# KiCad board FreeDSP_INTEGRA_QUAD_BASIC.kicad_pcb (continued)
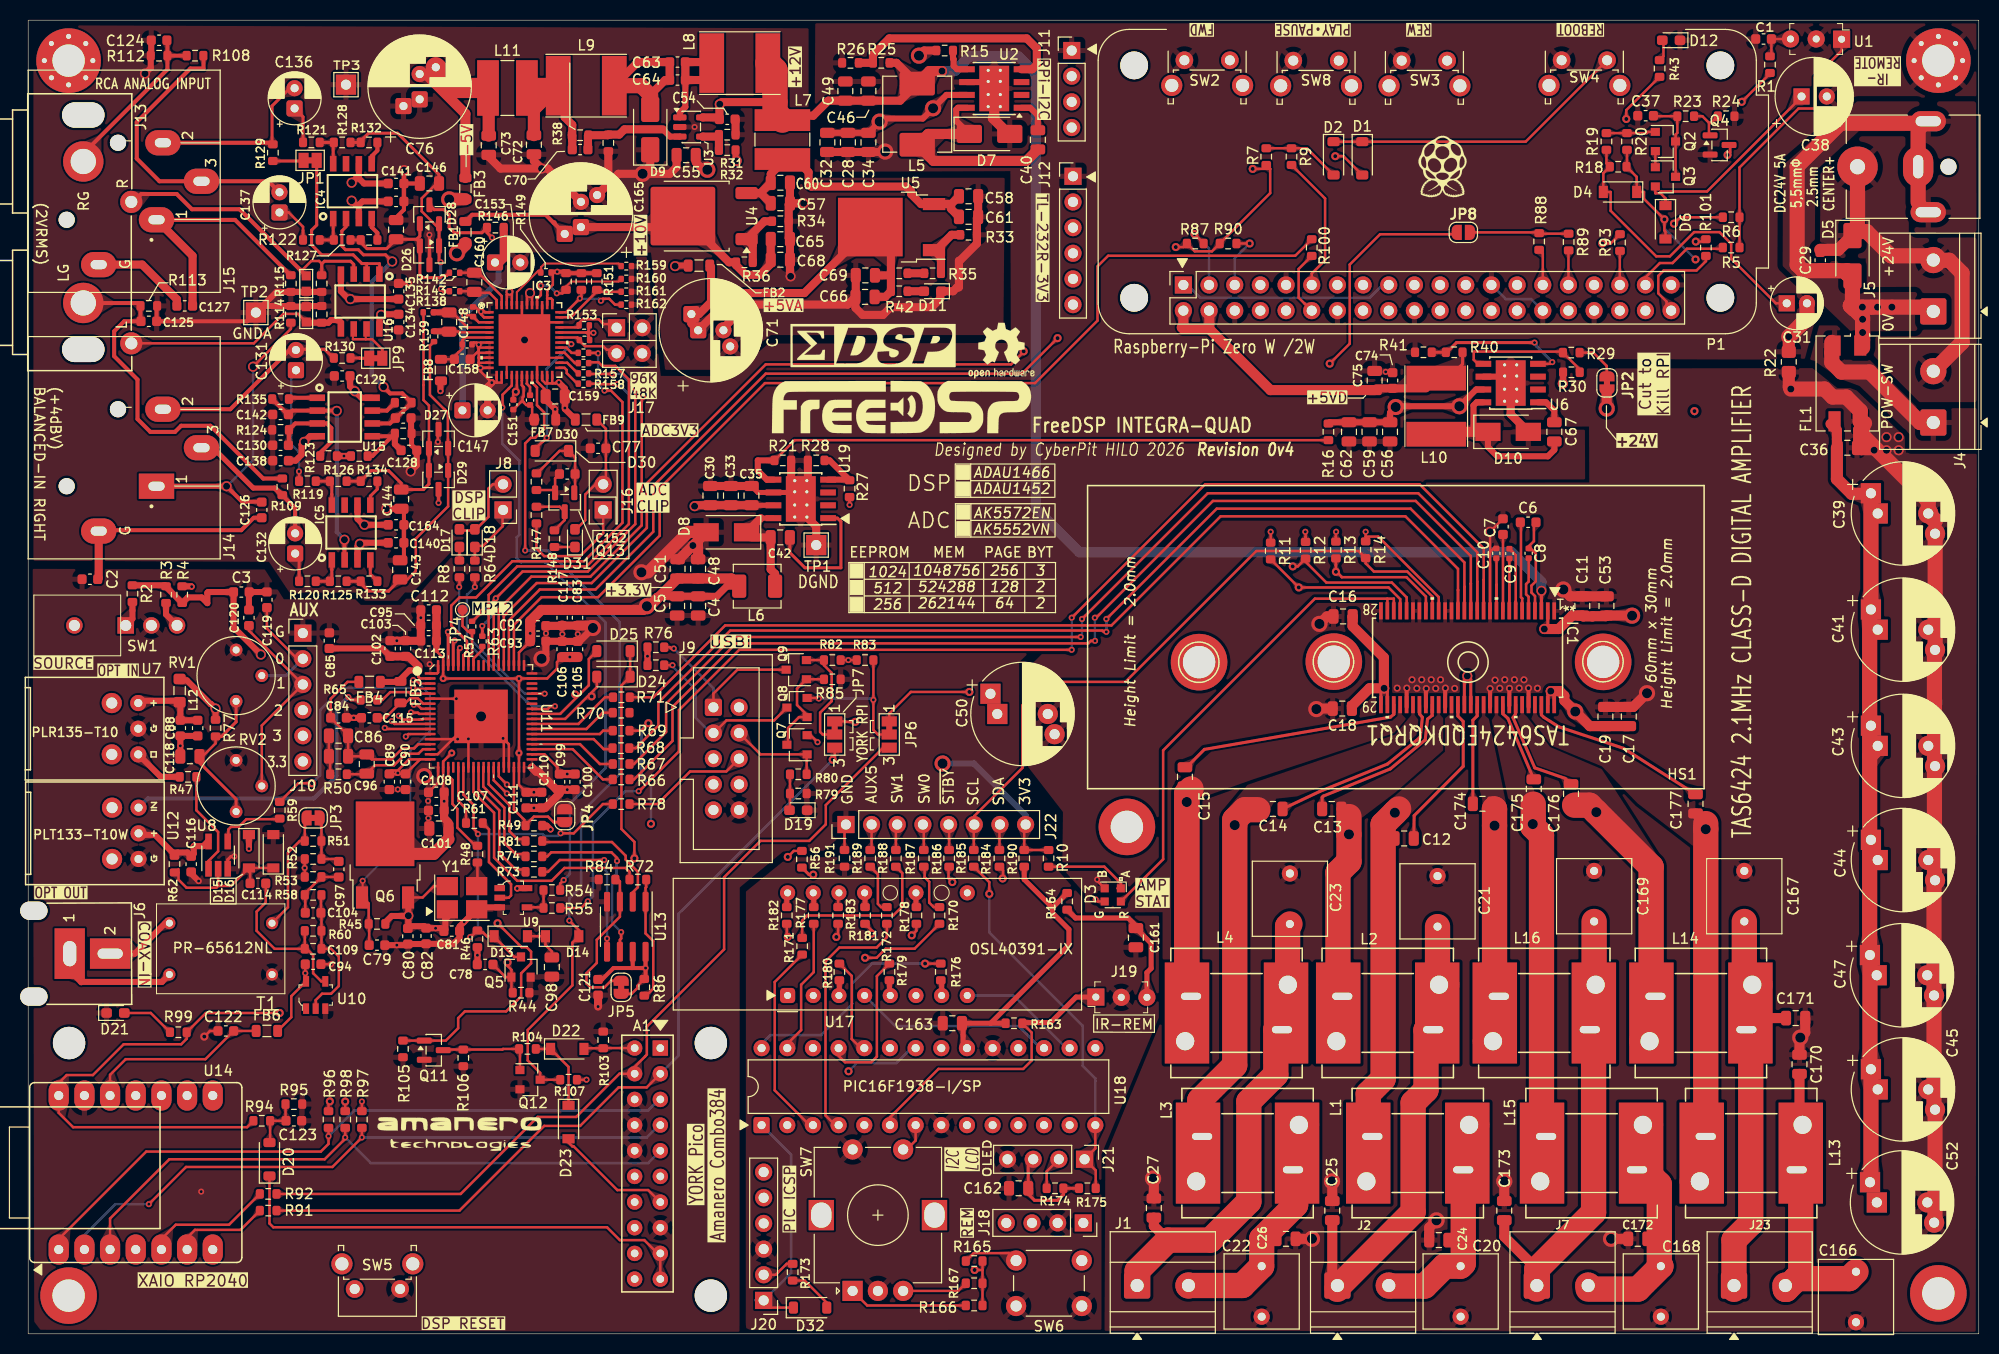
[diagram p0: board, top side]
## Routing (per net, layer and track width the routed paths; a pad name or vN(x,y) marks a point on that pad's centre or on a via; arc(x,y) is an arc through that point) (continued)
/Micom_DIsplay/DIG4: length 12.1
  Bottom w0.25: 102.87,28.27 102.71,28.27 97.5,33.48 U17.8
/Micom_DIsplay/DIG5: length 19.7
  Bottom w0.25: 100.33,28.27 100.17,28.27 97.99,30.45 85.79,30.45 U17.4
/Micom_DIsplay/ICSP_CLK: length 30.4
  Top w0.25: R177.2 77.72,35.79 76.48,34.54 76.48,30.06 74.93,28.51 74.93,28.27
  In2.Cu w0.25: J20.5 76.43,17.12 76.43,24.99 74.93,26.49 74.93,28.27
/Micom_DIsplay/ICSP_DAT: length 41.6
  Top w0.25: v5(88.74,36.64) R176.2
  In2.Cu w0.25: 72.39,28.27 72.15,28.27 71.42,27.54 71.42,11.51 72.01,10.92 J20.4
  Bottom w0.25: 72.39,28.27 72.39,28.51 73.44,29.56 78.46,29.56 81.53,32.64 81.53,34.67 83.5,36.64 v5(88.74,36.64)
/Micom_DIsplay/IR_SENS: length 29.5
  Top w0.25: U18.6 85.27,21.41 90.07,26.21 98.45,26.21 99.29,27.05 99.29,29.81 R163.2
  Top w0.5: R163.2 98.43,30.8 101.16,30.8 103.69,33.32 J19.1
/Micom_DIsplay/MCLR: length 24
  Top w0.25: D32.1 73.48,2.59 J20.1
  In2.Cu w0.25: 72.15,20.65 72.39,20.65
  Bottom w0.25: U18.1 75.49,17.73 75.49,6.02 J20.1 71.96,3.3 71.96,3.33
/Micom_DIsplay/MODE_SW: length 32.6
  Top w0.25: R165.2 93.56,7.98 97.02,7.98 SW6.2 ; SW7.E 86.95,18.25 86.95,18.27 87.81,19.13 U18.7
  In1.Cu w0.25: SW6.2 SW6.2
  In2.Cu w0.25: SW6.2 96.78,8.22 J18.4 89.51,18.25 86.56,18.25
/Micom_DIsplay/PIC_SCL: length 41.4
  Top w0.25: v5(95.1,43.54) 95.1,44.69 R185.1 ; R175.2 105.62,16.17 J21.1 105.59,18.34 U18.14
  In2.Cu w0.25: 105.51,20.55 105.51,19.39 104.52,18.4 J21.1
  Bottom w0.25: v5(95.1,43.54) 95.1,39.73 104.34,30.48 104.34,26.52 105.59,25.27 U18.14
/Micom_DIsplay/PIC_SDA: length 38.9
  Top w0.25: R184.1 96.46,45.87 96.46,45.1 v5(96.42,45.06) ; R174.2 100.78,16.07 J21.2
  In2.Cu w0.25: U18.15 104.88,27.57 104.88,27.24 104.39,26.75 104.39,19.69 J21.2 ; U18.15 104.88,28.97 104.88,29.02 104.14,29.77 104.14,38.97 98.05,45.06 v5(96.42,45.06) ; U18.15 105.41,28.27
/Micom_DIsplay/RENC_A: length 59.6
  Top w0.25: R166.2 83.02,2.8 SW7.A
  In2.Cu w0.25: SW7.A 81.57,2.86 83.41,1.02 100.03,1.02 101.45,2.44 101.45,7.06 104.4,10.01 J18.1 101.28,14.1 97.74,14.1 95.43,16.41 U18.10
/Micom_DIsplay/RENC_B: length 38.1
  Top w0.25: 93.25,21.02 92.84,21.02 92.71,20.89 92.71,20.65 ; SW7.B 92.02,4.25 R167.2
  In2.Cu w0.25: U18.9 92.89,17.2 99.11,10.97 J18.3 99.32,6.25 98.04,4.98 87.31,4.98 SW7.B
/Micom_DIsplay/SEG-a: length 1.4
  Top w0.25: R183.1 80.14,43.56 U17.14
/Micom_DIsplay/SEG-b: length 1.4
  Top w0.5: U17.16 75.06,43.56 R182.1
/Micom_DIsplay/SEG-c: length 1.4
  Top w0.5: R181.1 82.8,43.6 U17.13
/Micom_DIsplay/SEG-d: length 1.5
  Top w0.5: U17.3 80.26,33.52 R180.1
/Micom_DIsplay/SEG-dp: length 1.5
  Top w0.5: R176.1 90.38,34.91 U17.7
/Micom_DIsplay/SEG-e: length 1.5
  Top w0.5: R179.1 85.22,33.56 U17.5
/Micom_DIsplay/SEG-f: length 1.4
  Top w0.5: U17.11 87.84,42.27 R178.1
/Micom_DIsplay/SEG-g: length 1.4
  Top w0.5: R177.1 77.72,43.6 U17.15
/Micom_DIsplay/SEL_BIT0: length 5
  Top w0.25: R170.2 89.6,42.23 89.15,42.67 89.15,44.73 88.7,45.19 88.7,46.15 R187.1
/Micom_DIsplay/SEL_BIT1: length 16.4
  Top w0.25: R171.2 76.58,40.89 77.09,41.4 85.6,41.4 86.49,42.29 86.49,45.59 R188.1
/Micom_DIsplay/SEL_CTRL: length 5
  Top w0.25: R189.1 84.07,45.47 84.07,42.55 84.39,42.23 R172.2
/YAM_DSP-ADC_IO/958RX: length 23.4
  Top w0.2: U11.4 38.17,63.85 v1(38.09,63.94)
  Top w0.25: R59.1 26.74,54.49 v5(28.09,54.49)
  Bottom w0.25: v1(38.09,63.94) 31.1,63.94 28.9,61.74 28.9,55.29 v5(28.09,54.49)
/YAM_DSP-ADC_IO/958TX: length 30.5
  Top w0.3: R65.2 31.95,62.74 v1(31.67,63.02)
  Bottom w0.4: v1(31.67,63.02) 30.5,61.85 30.5,55.22 28.27,52.98 11.84,52.98 U12.1
/YAM_DSP-ADC_IO/AES_COLD: length 12.3
  Top w0.6: T1.1 13.23,34.82 5.28,34.82 5.26,34.8 4.11,35.94 J6.2
/YAM_DSP-ADC_IO/AES_HOT: length 7.1
  Top w0.6: J6.1 10.55,37.62 13.56,40.64 T1.2
/YAM_DSP-ADC_IO/BCK_USB: length 63.9
  Top w0.25: 62.59,20.7 A1.4 ; R97.2 v1(33.02,19.43) 30.1,16.51 15.62,16.51 v1(11.94,12.83)
  Bottom w0.25: v1(11.94,12.83) 8.64,12.83 5.56,9.76 U14.2 ; v1(33.02,19.43) 61.21,19.43 62.44,20.66 A1.4
/YAM_DSP-ADC_IO/DAT_USB: length 68.1
  Top w0.25: U14.1 3.02,9.37 11.68,18.03 28.96,18.03 29.72,18.8 v1(29.72,19.56) R96.2 ; 62.95,22.8 A1.3
  Bottom w0.25: A1.3 62.44,23.2 61.34,22.1 32.26,22.1 v1(29.72,19.56)
/YAM_DSP-ADC_IO/EEPROM_1: length 12.3
  Top w0.25: R72.1 61.15,44.2 61.09,44.13 U13.1 61.09,39.62 61.85,38.86 61.85,34.16 61.15,33.47 R86.1
/YAM_DSP-ADC_IO/EEPROM_2: length 9.2
  Top w0.25: U11.29 45.56,54.39 47.62,52.32 47.62,49.73 48.4,48.95 49.03,48.95 49.21,48.77
/YAM_DSP-ADC_IO/EEPROM_5: length 15.8
  Top w0.25: R73.1 51.44,45.72 52.6,46.89 v1(57,46.89) ; v1(57.28,39.12) 57.28,37.81
  Bottom w0.25: v1(57.28,39.12) 57.28,45.69 57.15,45.82 57.15,46.74 v1(57,46.89)
/YAM_DSP-ADC_IO/EEPROM_6: length 17.7
  Top w0.25: R74.1 51.36,47.24 51.77,47.65 57.71,47.65 58.27,47.09 v1(58.27,46.79) ; v1(58.67,39.75) 58.67,39.12 58.55,38.99 58.55,37.81
  Bottom w0.25: v1(58.67,39.75) 57.78,40.64 57.78,45.08 58.22,45.52 58.22,46.74 v1(58.27,46.79)
/YAM_DSP-ADC_IO/GPIO5: length 3.6
  Top w0.25: P1.29 149.86,106.91 R88.2
/YAM_DSP-ADC_IO/GPIO6: length 3.4
  Top w0.25: P1.31 152.4,107.2 R89.2
/YAM_DSP-ADC_IO/GPIO14(TXD0): length 22.3
  In2.Cu w0.25: J12.5 104.5,104.39 105.62,105.51 120.14,105.51 120.66,105 120.66,102.39 121.78,101.26 P1.8
/YAM_DSP-ADC_IO/GPIO15(RXD0): length 24.7
  In2.Cu w0.25: P1.10 124.46,101.45 123.19,102.72 123.19,104.62 121.34,106.47 104.97,106.47 104.5,106.93 J12.4
/YAM_DSP-ADC_IO/LRK_USB: length 63.5
  Top w0.25: R98.2 v1(31.37,19.43) 31.24,19.3 31.24,19.18 29.34,17.27 13.97,17.27 8.1,11.41 U14.3 ; 62.59,18.16 A1.5
  Bottom w0.25: A1.5 62.55,18.1 61.34,16.89 33.91,16.89 v1(31.37,19.43)
/YAM_PSU_IO/PSU+: length 34.6
  Top w1.2: 181,109.18 D5.1 179.1,107.28 177.31,107.28
  Top w1.5: 188.62,106.05 187.98,106.68 184.32,106.68 181.91,109.09 180.5,109.09 ; J4.2 191.35,98.11 191.35,104.97 190.08,106.24 188.36,106.24 ; 181,109.18 J3.1
/YAM_PSU_IO/PSU-: length 62.9
  Top w0.25: 181.5,98.72 181.62,98.72 ; 181.62,98.72 181.62,98.05 ; 181.62,98.72 181.62,98.97 ; FL1.1 181.27,98.12 181.5,98.35 ; 177.31,104.96 C29.1 ; 180.29,101.74 180.32,101.77
  Top w1: 180.5,104.69 179.85,104.69 179.06,105.47 C29.1
  Top w1.2: 187,112 J3.2 ; J3.2 187,119
  Top w1.5: 187,112 J3.2 187,119 ; 180.5,104.69 180.5,101.95 180.29,101.74 180.62,101.42 ; 180.5,104.69 180.22,104.96 ; 180.5,104.69 179.98,105.2 175.62,105.2 175.03,105.8 175.03,115.53 179.3,119.8 187.8,119.8 J3.2 ; 180.5,101.6 v2(181.48,101.6) v2(184.4,101.6) 187.92,101.6 188.55,100.97 ; 180.3,101.78 181.5,100.58 v2(181.5,100.4) v2(181.5,99.09) 181.5,97.61
  vias: v2(182.98,101.6)
/YAM_PSU_IO/SWITCHED+: length 15.6
  Top w0.25: 178.38,98.05 178.38,97.2 178.46,97.12
  Top w1.5: 178.46,98.11 178.46,96.13 179.4,95.18 182.2,95.18 187.2,90.18 J4.1 188.6,90.18
/~{RASPI_SHUT}: length 7.8
  Top w0.25: D2.2 126.52,117.33 R9.1 R7.2
AMA_SCL: length 83
  Top w0.25: v5(79.6,56.82) 79.8,57.01 JP7.3 ; R91.2 42.67,12.19 51.05,20.57 54.61,20.57 58.42,24.38 61.2,24.38 A1.2
  Bottom w0.25: v5(79.6,56.82) 64.35,41.56 64.35,27.53 A1.2
AMA_SDA: length 86.5
  Top w0.25: JP6.3 84.6,58.01 78.92,52.32 78.92,50.42 77.28,48.78 72.45,48.78 68.86,45.19 68.86,38.05 61.21,30.4 61.21,27.64 61.05,27.47 61.05,27.45 59.33,25.74 ; R92.2 42.8,13.84 50.42,21.46 54.23,21.46 58.5,25.74 59.33,25.74 ; 59.33,25.74 A1.12
AUX0: length 26.3
  Top w0.25: U11.8 38.91,61.85 38.51,62.26 v1(38.15,62.26) ; C119.1 23.62,69.8 26.62,66.8 J10.2
  In2.Cu w0.25: J10.2 33.27,66.8 37.82,62.26 v1(38.15,62.26)
  Bottom w0.3: J10.2 25.51,65.14 RV1.2
AUX1: length 33.6
  Top w0.25: v1(37.87,61.49) 37.9,61.47 38.56,61.47 38.67,61.35 U11.9 ; C120.1 21.84,69.6 J10.3 23.11,60.2 RV2.2
  In2.Cu w0.25: v1(37.87,61.49) 37.34,61.49 36.58,62.26 35.28,62.26 33.27,64.26 J10.3
AUX2: length 13.2
  Top w0.25: U11.10 39.09,60.85 39.09,60.86 39.06,60.86 38.99,60.78 38.69,60.78 37.03,60.78 v1(36.65,61.16)
  In1.Cu w0.25: 27.31,61.85 J10.4
  In2.Cu w0.25: v1(36.65,61.16) 36.12,61.7 27.2,61.7 J10.4
AUX3: length 13.7
  Top w0.25: v1(35.97,60.63) 36.24,60.35 U11.11
  In2.Cu w0.25: J10.5 27.2,59.21 32.61,59.21 34.49,61.09 35.51,61.09 v1(35.97,60.63)
AUX4: length 45.5
  Top w0.25: v1(35.28,59.97) 35.4,59.85 U11.12
  Top w0.6: v2(23.03,67.22) 20.32,69.93 C3.1 17.81,73.41 17.73,73.33 17.73,72.31 17.17,72.87 15.79,72.87 R4.2 13.64,73.93 R3.1 13.54,74.08 R2.1
  In2.Cu w0.25: 24.89,57.91 24.89,65.35 v2(23.03,67.22) ; 24.89,57.96 24.94,57.91 33.2,57.91 35.25,59.97 v1(35.28,59.97)
BCK_IN0: length 104.6
  Top w0.25: U11.57 48.06,70.16 50.8,72.9 56.39,72.9 62.48,78.99 62.48,83.67 72.9,94.08 99.62,94.08 105.81,100.27 105.81,105.64 106.86,106.69 125.37,106.69 R100.2
BCK_IN1: length 46.1
  Top w0.25: U11.60 46.56,71.71 v1(46.86,72.01) 49.78,74.93 55.63,74.93 60.71,80.01 60.71,92.58 v1(60.83,92.71) ; 55.46,94.03 56.46,94.03 56.51,93.98 v1(58.29,93.98) ; 44.93,69.55 R63.1 44.93,69.55 ; 44.93,69.55 v1(44.93,70.05)
  Bottom w0.25: v1(44.93,70.05) 45.24,70.36 45.24,70.38 v1(46.86,72.01) ; v1(60.83,92.71) 59.69,92.71 58.42,93.98 v1(58.29,93.98)
BCK_IN3: length 82.7
  Top w0.25: R97.1 v1(33.02,22.99)
  Top w0.3: U11.68 42.56,67.71 v1(42.72,67.87)
  In2.Cu w0.25: v1(42.72,67.87) 42.67,67.82 38.48,67.82 35.43,70.87 21.72,70.87 17.14,66.29 17.14,51.18 19.56,48.77 19.56,35.31 29.72,25.15 32,25.15 33.02,24.13 v1(33.02,22.99)
BCK_OUT0: length 108.7
  Top w0.25: 143.38,74.44 143.38,71.53 143.38,74.44 143.38,74.44 ; 143.38,74.44 143.38,77.35 137.54,83.19 116.71,83.19 v1(104.27,70.74) ; v1(104.14,68.96) 69.72,68.96 63.12,62.36 63.12,59.56 59.94,56.39 R67.1
  Bottom w0.25: v1(104.27,70.74) 104.27,69.09 v1(104.14,68.96)
DAT_IN0: length 146.2
  Top w0.25: v5(165,108.09) 165.77,108.09 R101.2 ; v5(98.5,97.23) 98.5,97.19 97.25,95.94 72.97,95.94 61.21,84.18 61.21,79.76 55.75,74.3 50.32,74.3 47.06,71.04 U11.59
  In2.Cu w0.25: v5(98.5,97.23) 160.86,97.23 163.83,100.2 163.83,107.47 164.45,108.09 v5(165,108.09)
DAT_IN1: length 42.8
  Top w0.25: 55.46,96.06 55.53,96.14 56.44,96.14 56.79,95.78 58.09,95.78 59.44,94.44 59.44,80.14 55.25,75.95 48.39,75.95 45.56,73.12 U11.62
DAT_IN2: length 46.1
  Top w0.25: v1(57.02,93.34) 57.66,93.34 58.8,92.2 58.8,80.26 54.99,76.45 47.9,76.45 44.32,72.87 42.67,72.87 41.86,72.06 41.86,70.1 43.41,68.55 43.41,67.51 43.06,67.17 U11.67 ; 55.46,97.08 56.34,97.08 v1(56.39,97.03)
  Bottom w0.25: v1(57.02,93.34) 56.39,93.98 v1(56.39,97.03)
DAT_IN3: length 83.2
  Top w0.25: R96.1 29.72,22.87 v5(29.85,23)
  Top w0.3: v1(41.53,69.47) 41.53,69.15 41.56,69.12 U11.70
  In2.Cu w0.25: v1(41.53,69.47) 38.73,69.47 36.07,72.14 20.83,72.14 15.8,67.11 15.8,50.04 18.03,47.8 18.03,34.93 29.49,23.47 29.49,23.37 v5(29.85,23)
DAT_OUT0: length 104.1
  Top w0.25: v1(106.68,70.74) 117.6,81.66 136.78,81.66 142.11,76.33 142.11,73.93 ; R68.1 60.12,57.96 62.36,60.2 62.36,62.48 69.47,69.6 106.3,69.6 106.43,69.47 v1(106.68,69.47) ; 142.11,73.93 142.11,71.53 142.11,73.93 142.11,73.93
  Bottom w0.25: v1(106.68,69.47) v1(106.68,70.74)
DAT_OUT1: length 97.8
  Top w0.25: 141.47,73.61 141.47,75.7 136.27,80.9 117.98,80.9 107.19,70.1 68.96,70.1 61.85,62.99 R71.1 ; 141.47,73.61 141.47,71.53 141.47,73.61
DSP_RES: length 149.6
  Top w0.25: v5(128.78,96.01) 130.76,97.99 130.76,105.82 133.76,108.82 141.17,108.82 JP8.1 ; Q5.1 47.14,35.3 47.14,35.39 C78.2 ; Q5.1 47.82,36.02 47.43,36.41 v5(47.43,36.77) ; Q5.1 47.82,33.88 R44.1
  In2.Cu w0.25: v5(128.78,96.01) 128.78,90.07 103.12,64.41 99.42,64.41 97.97,62.97 97.97,60.81 97.98,60.8 97.98,60 89.81,51.84 89.81,49.53 88.77,48.49 55.02,48.49 54.33,47.8 51.26,47.8 43.12,39.66 43.12,39.06 43.74,38.44 45.75,38.44 v5(47.43,36.77)
Earth: length 31.3
  Top w0.4: C126.1 22.31,80.76 21.08,79.53 7.07,79.53 J14.G ; 6.99,105.82 J15.G
  Top w0.8: J14.G 6.98,74.77 C2.2 ; 6.99,105.82 11.28,105.82 14.72,102.38 C127.1
EX_SCL: length 11.2
  Top w0.25: JP7.2 78.61,59.31 78.36,59.56 78.36,61.47 79.5,62.61 79.5,65.41 78.74,66.17 R82.1 Q9.2
EX_SDA: length 15.3
  Top w0.25: Q8.2 78.17,62.93 v1(78.23,62.86) ; R83.2 v1(83.63,62.74) 83.63,59.75 84.07,59.31 JP6.2
  Bottom w0.25: v1(78.23,62.86) 83.5,62.86 v1(83.63,62.74)
GPIO17(GEN0): length 13.8
  Top w0.25: P1.11 127,104.93 128.32,106.25 128.32,112.35 R9.2
GPIO23: length 28.1
  In2.Cu w0.25: 140.22,126 133.35,119.12 133.35,103.15 132.59,102.39 132.59,102.39 132.59,101.77 P1.16
GPIO24: length 38.6
  In2.Cu w0.25: 118.72,126.04 120.57,126.04 121.89,124.72 121.89,123.02 125.58,119.33 129.59,119.33 130.81,118.11 130.81,100.53 131.42,99.92 133.28,99.92 P1.18
GPIO25(GEN6): length 32.4
  Top w0.25: R6.2 167.66,110.49 163.46,110.49 v5(162.84,109.87)
  In2.Cu w0.25: P1.22 140.93,102.49 142.76,102.49 143.51,103.24 143.51,104.2 148.31,109 161.97,109 v5(162.84,109.87)
GPIO26: length 79.8
  Top w0.25: P1.37 160.02,104.55 161.44,105.97 162.7,105.97 164.11,107.38 167.56,107.38 R5.1
  In2.Cu w0.25: P1.37 160.02,105.41 164.34,109.73 164.34,115.06 171.32,122.04 171.32,125.91 169.36,127.87 131.37,127.87 129.5,126
I2C_SCL: length 43.6
  Top w0.25: v1(47.37,54.36) 46.56,55.17 U11.31 ; Q9.3 70.17,65.72 67.8,63.36 J9.1 ; R76.2 63.5,67.94 63.63,67.82 v1(63.88,67.82)
  In1.Cu w0.25: v1(47.37,54.36) 49.28,54.36 56.92,62 J9.1
  Bottom w0.25: v1(63.88,67.82) 67.8,63.9 J9.1
I2C_SDA: length 43.7
  Top w0.25: v1(63.75,66.17) R75.1 ; U11.30 46.06,54.78 v1(47.37,53.47) ; Q8.3 73.8,60.71 69.09,60.71 67.84,59.46 J9.3
  In1.Cu w0.25: v1(47.37,53.47) 49.07,53.47 55.07,59.46 J9.3
  Bottom w0.25: v1(63.75,66.17) 63.75,66.04 66.04,63.75 66.04,60.96 67.54,59.46 J9.3
LRK_IN0: length 135.5
  Top w0.25: v5(101.85,98.54) 98.34,95.02 72.97,95.02 61.85,83.9 61.85,79.38 56.13,73.66 50.62,73.66 47.56,70.6 U11.58 ; v5(155.74,107.91) 156.58,107.91 R93.2
  In2.Cu w0.25: v5(155.74,107.91) 155.71,107.87 151.49,107.87 148.56,104.95 148.56,100.43 146.67,98.54 v5(101.85,98.54)
LRK_IN1: length 45.5
  Top w0.25: U11.61 46.06,72.58 v1(46.27,72.78) 48.92,75.44 55.37,75.44 60.07,80.14 v1(60.07,93.6) ; v1(57.78,95) 55.51,95 55.46,95.05 ; R57.1 43.97,70.51 44.93,71.48 v1(44.96,71.48)
  Bottom w0.25: v1(60.07,93.6) 58.67,95 v1(57.78,95) ; v1(44.96,71.48) v1(46.27,72.78)
LRK_IN3: length 82.8
  Top w0.25: v5(31.37,22.99) R98.1
  Top w0.3: v1(42.2,68.62) 42.06,68.48 U11.69
  In2.Cu w0.3: v5(31.37,22.99) 31.37,23.62 30.61,24.38 29.59,24.38 18.8,35.18 18.8,48.39 16.51,50.67 16.51,66.67 21.34,71.5 35.81,71.5 38.7,68.62 v1(42.2,68.62)
LRK_OUT0: length 108.4
  Top w0.25: 142.74,74.25 142.74,71.53 142.74,74.25 ; 142.74,74.25 142.74,76.97 137.29,82.42 117.22,82.42 105.66,70.87 v1(105.54,70.87) ; v1(105.56,68.58) 105.16,68.58 104.9,68.33 70.04,68.33 63.75,62.04 63.75,58.67 59.94,54.86 R66.1
  Bottom w0.25: v1(105.54,70.87) 105.54,68.61 v1(105.56,68.58)
MCLK: length 59.1
  Top w0.25: v1(52.98,44.91) 52.64,44.56 R54.2 ; v1(46.91,91.67) 46.94,91.69 46.94,92.94 47.55,93.55 47.85,93.85 IC3.16
  Bottom w0.25: v1(46.91,91.67) 46.91,88.09 48.59,86.41 48.59,79.07 48.34,78.82 48.34,76.78 48.77,76.35 51.18,76.35 57.12,70.41 57.12,55.98 53.59,52.45 53.59,45.52 v1(52.98,44.91)
MCLK0: length 129.1
  Top w0.25: R55.2 54.71,42.14 v1(55.37,42.8) ; 144.01,74.63 144.01,71.53 144.01,74.63 ; 144.01,74.63 144.01,77.73 137.67,84.07 116.46,84.07 v1(103.25,70.87) ; v1(60.4,53.7) 60.45,53.7 64.39,57.63 64.39,61.72 70.36,67.69 v1(103.25,67.69)
  Bottom w0.25: v1(60.4,53.7) 59.08,53.7 55.88,50.5 55.88,43.31 v1(55.37,42.8) ; v1(103.25,70.87) v1(103.25,67.69)
MP5: length 29.6
  Top w0.25: R69.1 60.66,59.69 61.37,60.4 v5(61.37,60.43) ; R56.2 75.75,47.79 v5(75.16,47.19)
  In1.Cu w0.25: v5(61.62,50.47) 64.29,47.8 75.04,47.8 75.16,47.69 v5(75.16,47.19)
  Bottom w0.25: v5(61.62,50.47) 61.62,54.2 60.68,55.14 60.68,59.74 v5(61.37,60.43)
MP8: length 20.5
  Top w0.25: v1(42.65,73.91) 42.67,73.94 R8.2 ; 49.86,61.84 U11.47 49.86,61.84 ; 49.86,61.84 49.88,61.82 51.41,61.82 51.69,62.1 v1(52.12,62.1)
  Bottom w0.25: v1(52.12,62.1) 49.89,62.1 49.43,62.56 49.3,62.56 42.65,69.22 v1(42.65,73.91)
MP9: length 17.4
  Top w0.25: 44.2,74.87 v1(44.2,73.91) ; U11.50 51.1,63.35 v1(51.1,63.35)
  Bottom w0.25: v1(44.2,73.91) 43.41,73.13 43.41,69.09 49.15,63.35 v1(51.1,63.35)
MP12: length 6.3
  Top w0.25: U11.66 43.56,66.98 43.92,67.34 R57.2 43.54,69.49 42.98,70.05 TP4.1
RP_SCL: length 118.4
  Top w0.25: D1.2 130.14,116.54 v5(129.32,116.54) ; v5(120.86,107.91) 119.56,107.91 R90.2 ; v5(81.84,60.56) 80.87,60.56 80.83,60.61 JP7.1
  In2.Cu w0.25: v5(81.84,60.56) 81.9,60.5 82.75,60.5 92.41,70.15 92.41,94.13 101.24,102.97 101.24,120.8 102.36,121.92 J11.3 104.14,121.92 117.98,108.08 120.86,108.08 ; 120.86,108.08 v5(129.32,116.54) ; 120.86,108.08 v5(120.86,107.91)
  Bottom w0.25: P1.5 119.38,106.43 v5(120.86,107.91)
RP_SDA: length 92.1
  Top w0.25: v5(93.13,63.52) 87.34,63.52 85.2,61.38 JP6.1 ; v5(115.39,108.84) 116.3,107.93 R87.1
  In2.Cu w0.25: v5(93.13,63.52) 93.13,93.64 99.19,99.7 112,99.7 112.75,100.45 112.75,102.15 113.09,102.49 115.53,102.49 P1.3 ; v5(115.39,108.84) 114.92,108.84 104.38,119.38 J11.4
  Bottom w0.25: v5(115.39,108.84) 116.84,107.39 P1.3
SCL: length 67.8
  Top w0.25: R14.2 131.64,77.47 121.52,77.47 108.56,64.52 100.69,64.52 98.37,62.2 98.37,56.01 93.61,51.24 J22.6 93.56,50.35 R185.2 ; R14.2 132.34,76.51 ; R14.2 132.34,76.51 ; 138.93,72.23 138.93,72.94 138.94,72.95 136.45,75.44 133.15,75.44 132.34,76.25 132.34,76.51 ; 138.93,72.23 138.93,71.53 138.93,72.23
SDA: length 62.2
  Top w0.25: R184.2 96.1,50.35 J22.7 ; 138.3,72.24 138.3,71.53 138.3,72.24 ; 138.3,72.24 138.3,72.96 136.37,74.88 129.97,74.88 129.98,74.89 129.47,75.41 v5(129.39,75.41) 129.39,75.41 129.39,76.08 ; 129.39,76.08 R13.2 129.39,76.08
  In2.Cu w0.25: v5(129.39,75.41) 128.57,75.41 127.95,74.79 117.31,74.79 107.85,65.33 107.85,62.16 107.88,62.13 J22.7
SRC_BIT0: length 49.6
  Top w0.25: U11.45 53.13,60.85 55.56,63.28 ; 55.56,63.28 v5(55.75,63.08) ; 55.56,63.28 56.26,63.98 D24.2 ; R187.2 88.62,50.31 J22.4
  In2.Cu w0.25: J22.4 84.16,54.77 72.84,54.77 71.96,55.65 63.17,55.65 60.64,58.18 60.64,58.19 v5(55.75,63.08)
SRC_BIT1: length 50.7
  Top w0.25: 54.55,63.27 55.47,64.19 55.47,66.78 D25.2 ; 54.55,63.27 52.64,61.35 U11.46 ; 54.55,63.27 v5(54.13,63.27) ; J22.3 85.85,50.26 R188.2
  In2.Cu w0.25: v5(54.13,63.27) 64.19,53.21 83.18,53.21 J22.3
SRC_CTRL: length 61
  Top w0.25: J22.2 83.45,48.02 R189.2 ; U11.13 37.61,59.35 v1(37.36,59.11)
  In2.Cu w0.25: J22.2 83.45,49.9 82.51,48.96 54.55,48.96 53.95,48.36 40.89,48.36 37.36,51.89 v1(37.36,59.11)
USB_ON: length 5.4
  Top w0.25: D20.2 23.94,18.99 R94.1 C123.2 25.46,21.13 R95.1
~{DSP-RESET}: length 106.5
  Top w0.25: U11.24 43.06,53.36 43.74,52.68 44.07,52.35 44.07,49.99 44.5,49.56 v1(44.5,49.45) ; 44.25,39.72 43.8,39.27 v1(43.74,39.27) ; 44.25,39.72 45,39.72 45.38,39.34 D13.1 46.1,39.29 47.29,38.1 47.29,38.09 48.09,37.3 Q5.3 ; 44.25,39.72 R46.1 ; v1(52.68,49.53) 53.97,49.53 56.87,52.43 57.85,52.43
  In2.Cu w0.25: SW5.2 54.82,26.95 63.45,26.95 64.01,27.51 64.01,29.39 54.13,39.27 v1(43.74,39.27)
  Bottom w0.25: v1(52.68,49.53) 52.43,49.28 51.05,49.28 50.88,49.45 v1(44.5,49.45) 44.5,40.03 v1(43.74,39.27)
~{MUTE}: length 284.6
  Top w0.25: 54.53,39.4 53.85,38.71 53.85,34.49 49.43,30.07 49.43,27.05 50.66,25.82 Q12.3 R107.2 ; 54.53,39.4 54.59,39.45 54.59,39.85 v1(53.54,40.89) ; 54.53,39.4 D14.2 ; v1(49.17,77.52) 49.17,88.11 49.73,88.67 50.16,88.67 50.82,89.33 51.05,89.56 51.05,91.19 50.5,91.74 50.34,91.9 50.34,93.65 50.24,93.75 49.85,94.14 49.85,94.89 ; 168.4,117.65 168.4,116.93 v5(168.14,116.66) ; 135.76,72.11 135.76,71.53 135.76,72.11 ; 135.76,72.11 135.76,72.7 134.59,73.86 v5(125.72,73.86) R11.2 ; D3.3 105.84,42.78 105.78,42.84 105.77,42.84 105.51,43.1
  In2.Cu w0.25: v1(53.54,40.89) 53.77,40.67 56.13,40.67 63.45,47.98 100.99,47.98 105.63,43.35 v1(105.63,42.99) 105.51,43.1 105.51,43.43 100.84,48.11 100.84,51.74 109.78,60.68 109.78,65.58 118.06,73.86 v5(125.72,73.86) 134.37,73.86 144.58,84.07 160.38,84.07 171.3,95 171.3,106.38 168.14,109.53 v5(168.14,116.66)
  Bottom w0.25: v1(53.54,40.89) 53.54,43.08 54.71,44.25 54.71,51.56 58.52,55.37 58.52,70.43 51.44,77.52 v1(49.17,77.52)
~{STBY}: length 64.9
  Top w0.25: R186.2 91.13,50.34 J22.5 ; 136.39,72.2 136.39,72.2 136.39,71.53 136.39,72.2 ; 136.39,72.2 136.39,72.88 134.93,74.35 128.45,74.35 126.39,76.4 R12.2 125.62,75.95 v5(125.12,75.95)
  In2.Cu w0.25: v5(125.12,75.95) 125.07,76 116.64,76 103.99,63.35 100.18,63.35 98.68,61.85 98.68,59.09 91.07,51.49 J22.5
Net-(A1-DSD_ON): length 11.9
  Top w0.25: D23.2 53.47,18.92 53.85,18.54 53.97,18.54 58.29,14.22 61.34,14.22 62.53,13.04 A1.7
Net-(A1-MUTE): length 5.1
  Top w0.25: A1.11 56.91,28.28 R103.2 55.05,28.26 D22.2
Net-(C7-Pad2): length 7.6
  Top w0.25: C7.2 145.92,71.53 145.92,71.53
Net-(C10-Pad2): length 7.8
  Top w0.25: 145.28,74.14 145.28,74.13 145.28,71.53 145.28,74.14 ; 145.28,74.14 145.28,76.74 C10.2
Net-(C70-Pad2): length 16.5
  Top w0.8: 53.84,118.11 53.84,119.65 53.09,120.4 53.09,122.88 L9.1 ; 53.84,118.11 C70.2 ; 53.84,118.11 53.84,118.57 53.78,118.62
  Top w1.2: C72.1 50.04,121.11 L9.1
  Top w2: L11.2 52.22,123.29 L9.1
Net-(C73-Pad1): length 25.1
  Top w1: C76.2 39.66,124.67 C76.2 39.33,124.67 43.26,120.74 43.26,114.38
  Top w1.2: C73.1 45.57,123.22 L11.1
  Top w2: L11.1 42.39,123.29 C76.2
Net-(C86-Pad1): length 3.9
  Top w0.25: C86.1 C91.1 29.88,57.03 R50.1
Net-(C104-Pad1): length 6
  Top w0.25: C104.1 27.42,43.38 R58.1 27.37,43.56 R53.1 30.72,45.21 C97.2
Net-(C118-Pad1): length 14.6
  Top w0.25: R77.1 18.54,58.43 16.95,56.84
  Top w0.3: RV2.3 20.57,52.91 16.95,56.53 C118.1 ; RV1.3 20.57,60.55 19.14,59.12 R77.1
Net-(C126-Pad2): length 30
  Top w0.25: R114.1 25.99,99.45 v2(22.25,95.71)
  Top w0.4: 23.11,82.31 23.11,82.4 23.06,82.35 21.17,82.35 v2(19.63,83.88)
  Top w0.5: J14.1 v2(19.63,83.88)
  Bottom w0.25: v2(22.25,95.71) 22.25,86.46 19.67,83.88 v2(19.63,83.88)
Net-(C127-Pad2): length 25.6
  Top w0.4: R115.1 25.95,104.76 20.47,110.24 12.71,110.24 J15.1
  Top w0.8: C127.2 16.27,106.68 J15.1
Net-(C131-Pad1): length 12
  Top w0.25: v1(26.8,85.34) 26.81,85.33 26.81,84.86 ; 26.81,84.86 R119.1 26.81,84.86
  Bottom w0.25: C131.1 26.03,94.9 26.03,88.01 26.8,87.25 v1(26.8,85.34)
Net-(C132-Pad1): length 4.1
  Top w0.25: 26.81,75.65 R120.1
  Top w0.3: R120.1 26.81,76.82 C132.1
Net-(C136-Pad1): length 3.7
  Top w0.3: C136.1 27.2,120.44 R121.1
Net-(C137-Pad1): length 4.2
  Top w0.25: C137.1 25.78,110.97 27.2,109.55 27.2,109.19
  Top w0.3: 27.2,109.19 R122.1
Net-(C143-Pad1): length 33.1
  Top w0.25: C143.1 37.52,74.65 38.35,75.49 38.35,78.69 41.55,81.89 D27.2 41.53,87.66 41.53,91.16 41.17,91.52 41.15,91.52 39.75,92.91 39.75,97.79 R139.1
  Top w0.3: C143.1 35.66,73.51 35.66,73.51 33.68,73.51 32.9,74.28 R133.1 R125.1 31.5,74.47
Net-(C144-Pad2): length 27.2
  Top w0.25: D27.1 39.65,91.87 39.12,92.41 39.12,93.88 39.11,93.89 39.11,101.07 R138.1
  Top w0.3: 31.5,84.38 R126.2 R134.2 33.94,85.42 35.66,85.42 36.91,84.17 C144.2 39.11,83.55 39.65,84.1 D29.2 D27.1
Net-(C145-Pad1): length 16
  Top w0.3: D28.1 38.75,108.63 38.45,108.32 ; 38.45,108.32 C145.1 35.47,107.39 33.53,107.39 32.9,108.02 R131.1 R127.1 ; 38.45,108.32 38.75,108.01 D26.2 38.75,104.75 38.99,104.52 40.77,104.52 40.97,104.73 41.4,104.73 R142.1
Net-(C146-Pad2): length 25.3
  Top w0.25: 40.66,109.37 38.94,111.09 38.94,112.37 40.41,113.84 C146.2
  Top w0.3: v1(40.82,106.05) 40.66,106.21 D26.1 D28.2 ; R143.1 41.07,103.17 v1(40.84,103.4) ; R128.2 R132.2 32.9,118.04 33.68,118.82 36.55,118.82 40.64,114.73 40.64,113.86 C146.2
  Bottom w0.3: v1(40.82,106.05) 40.82,103.43 v1(40.84,103.4)
Net-(D1-K): length 30.4
  Top w0.25: SW4.2 148.17,117.98 D1.1 D2.1
Net-(D3-A): length 8.7
  Top w0.25: R10.1 106.48,46.23 108.12,44.59 D3.1 107.78,44.08
Net-(D3-RK): length 48.2
  Top w0.25: 134.49,72.75 127.31,72.75 112.3,57.74 112.3,46.97 D3.4 ; 134.49,72.75 134.49,71.53 ; 134.49,72.75 135.12,72.75 135.12,71.53
Net-(D4-A): length 31.2
  Top w0.25: C31.1 172.92,101.98 168.5,106.41 168.5,107.87 167.35,109.03 164.83,109.03 162.43,106.63 161.09,106.63 156.58,111.14 156.58,113 D4.2 155.85,114.85 R18.2 156.16,115.84 R19.2
Net-(D6-K): length 20.6
  Top w0.25: C38.1 175.46,122.4 166.11,113.05 161.57,113.05 161.5,112.98 161.5,112.87 ; Q3.2 161,112.87 161.5,112.87 ; 161.5,112.87 162,112.38 D6.1
Net-(D7-K): length 23.8
  Top w0.25: D7.1 93.12,118.16 93.12,118.16
  Top w0.6: 92.88,121.34 92,121.34 91.82,121.16 91.82,120.05 D7.1 ; 92.91,118.16 93.33,118.16
  Top w1: D7.1 89.03,118.75 L5.2 89.56,116.08 98.77,116.08 C40.2
Net-(D8-K): length 10.8
  Top w0.5: U19.8 72.48,80.72 ; 71.59,78.82 D8.1
  Top w0.8: 71.59,78.82 C42.2 73.46,75.65 73.9,75.22 L6.2 ; 72.48,80.72 D8.1
Net-(D9-A): length 16.1
  Top w0.8: 61.55,122.6 63.03,124.08 C64.1 C63.1 60.33,125.86 L9.2
  Top w1.5: D9.2 61.55,122.6 60.63,123.52 L9.2
Net-(D10-K): length 19.9
  Top w0.6: C67.2 151,87.48 150.37,86.84 145.36,86.84 144.43,87.78 D10.1 143,89.26 143,91.87 143.31,92.18 U6.8
  Top w1: L10.2 139.55,89.26 D10.1
Net-(D11-A): length 1.7
  Top w0.8: R42.2 88.73,103.17